# KiCad board NoU2-panelized.kicad_pcb (continued)
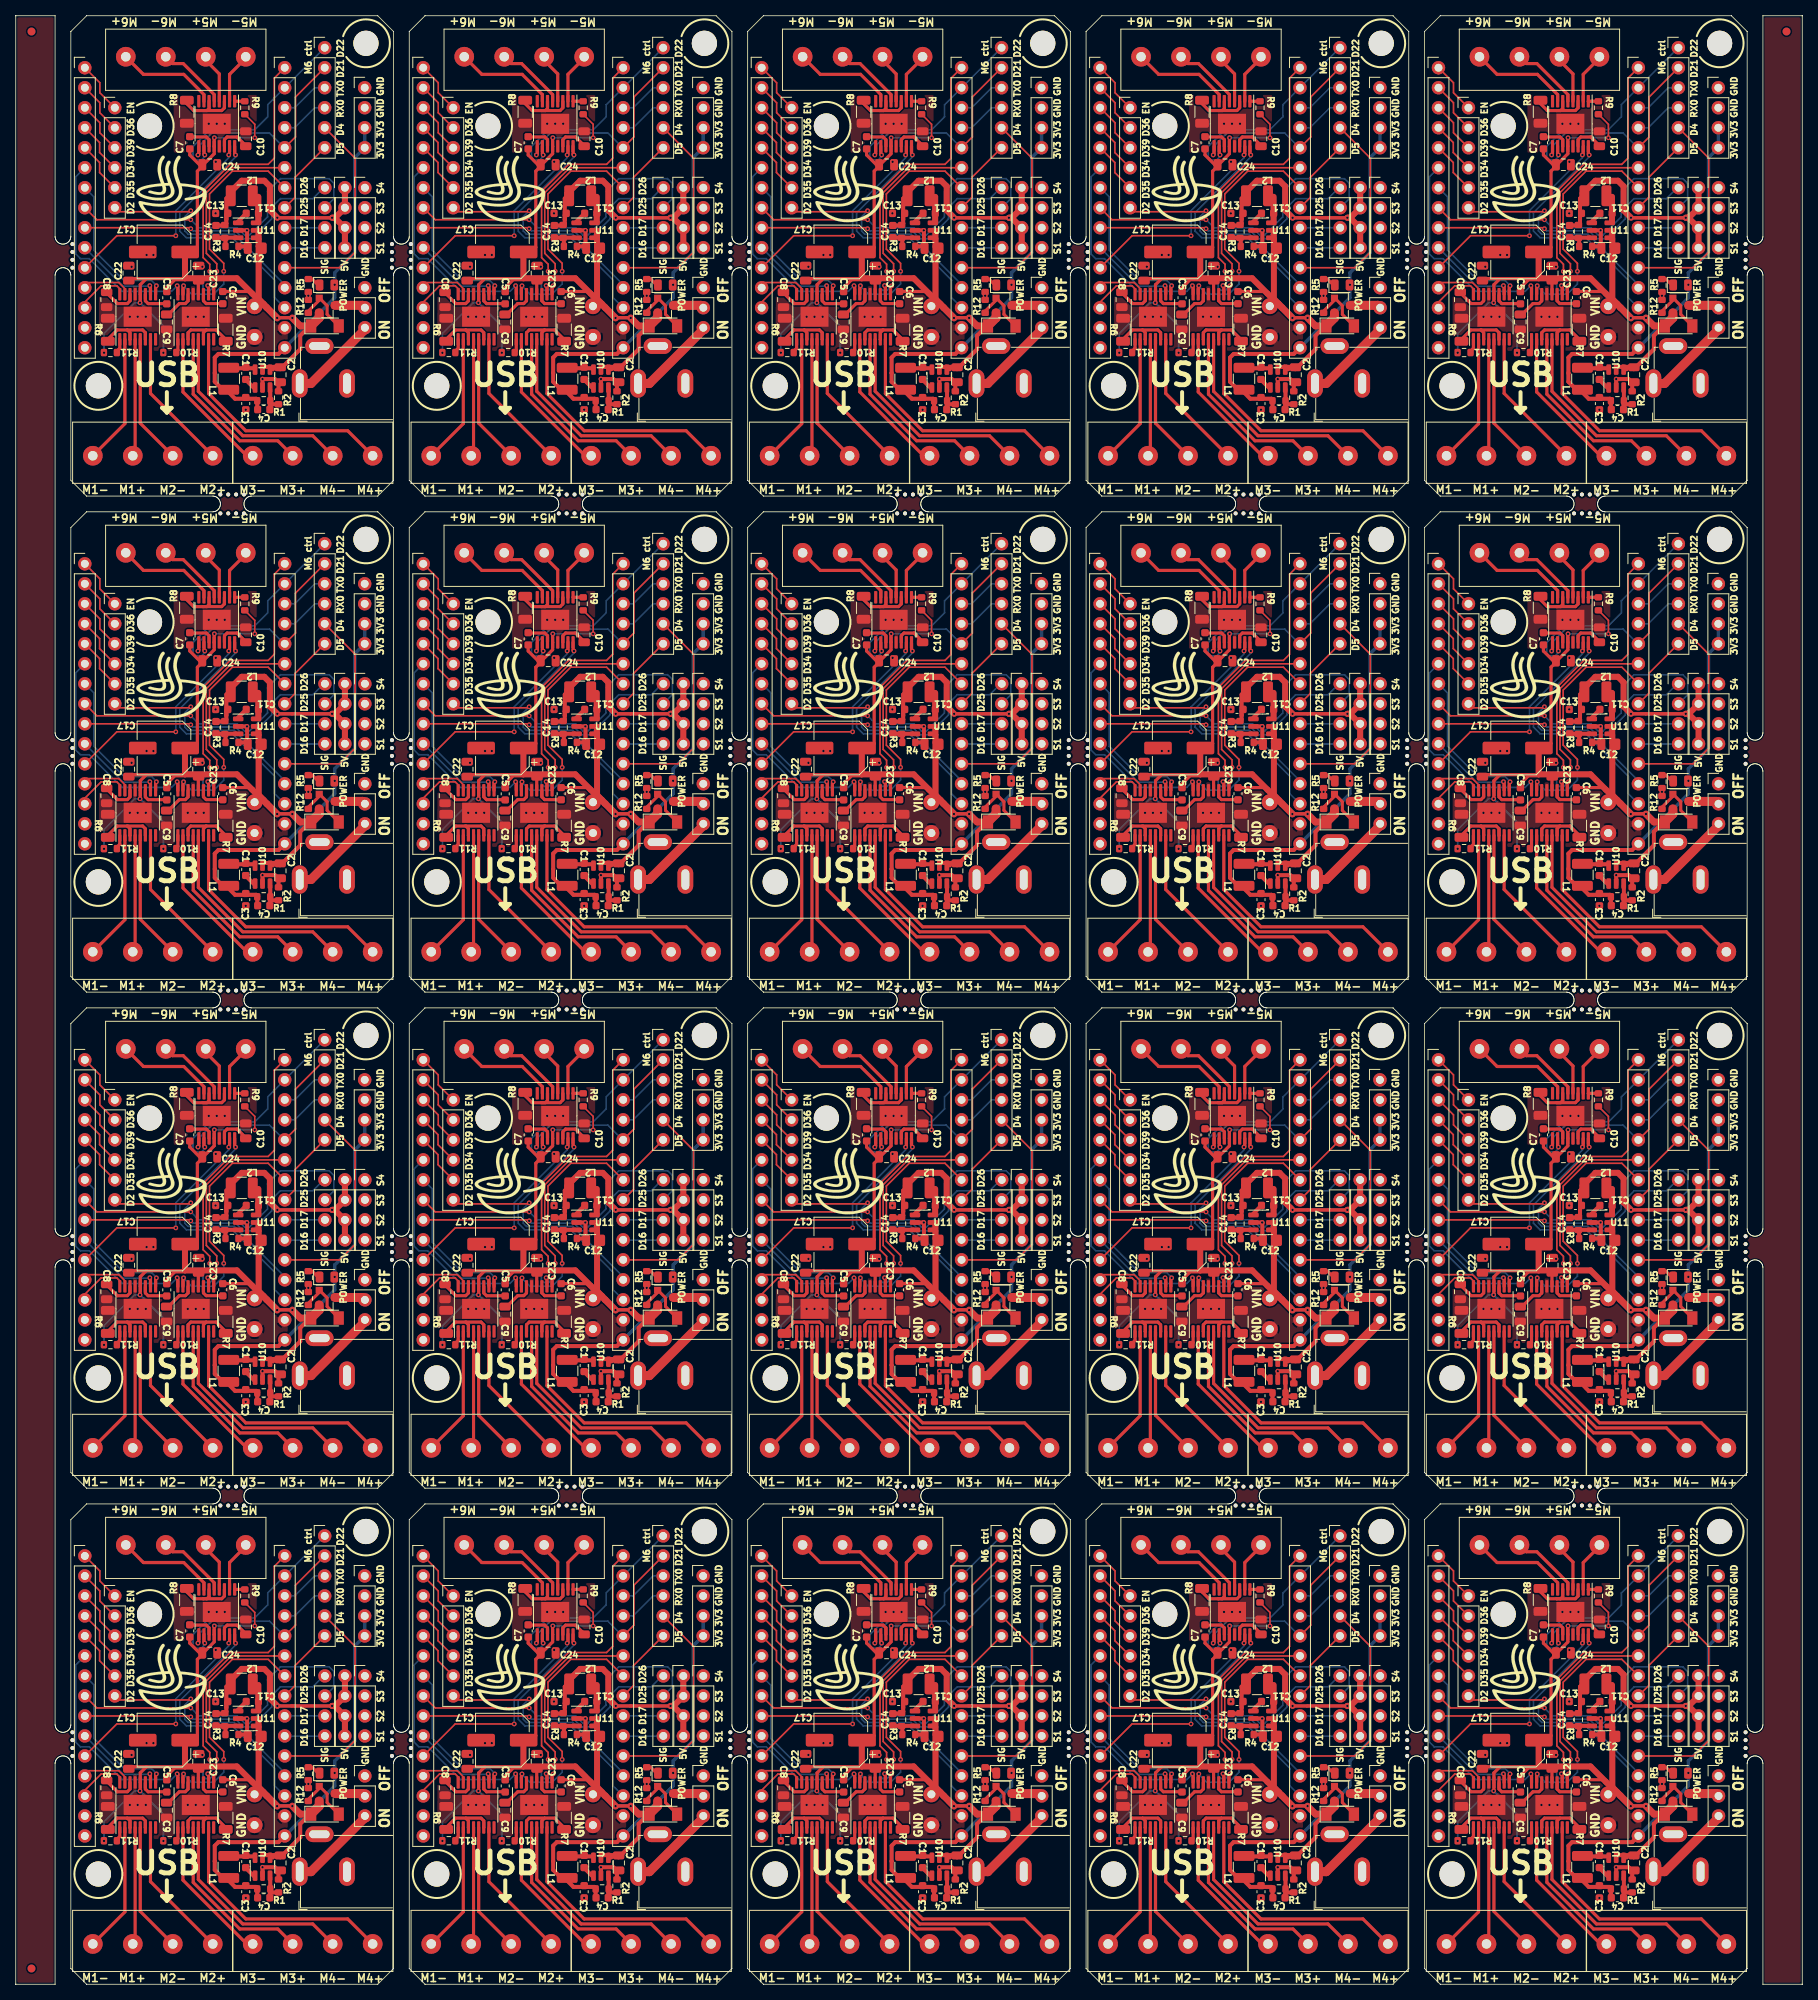
[diagram p0: board, top side]
## Nets (continued)
Board_5-/Sheet6057E9B8/D39: J10#16.3
Board_5-/Sheet6057E9B8/EN: J10#16.1
Board_5-/Sheet6057E9B8/EVIN: J10#16.15
Board_5-D2: J4#19.6 J11#11.12
Board_5-D4: J1#18.5 J11#11.11
Board_5-D5: J1#18.6 J11#11.8
Board_5-D25: J2#4.2 J10#16.8
Board_5-D26: J2#4.1 J10#16.9
Board_5-GND: C2#13.1 C3#7.1 C8#16.2 C9#8.2 C10#4.2 C12#3.1 C13#5.1 C17#12.2 C22#5.2 C23#7.2 C24#2.2 J3.1 J3.2 J5#2.1 J5#2.2 J5#2.3 J5#2.4 J9#14.2 J10#16.14 J11#11.14 J13#9.1 R2#11.2 R4#18.2 R5#2.1 R6#18.1 R7#6.1 R8#15.1 R12#17.2 U1#13.13 U1#13.17 U2#7.13 U2#7.17 U3#2.13 U3#2.17 U10#10.2 U11#6.2
Board_5-M1A: J10#16.13 U1#13.16
Board_5-M1B: J10#16.12 U1#13.15
Board_5-M2A: J10#16.10 U1#13.10
Board_5-M2B: J10#16.7 U1#13.9
Board_5-M3A: J10#16.6 U3#2.16
Board_5-M3B: J11#11.7 U3#2.15
Board_5-M4A: J11#11.6 U3#2.10
Board_5-M4B: J11#11.1 U3#2.9
Board_5-M5A: J11#11.13 U2#7.16
Board_5-M5B: J10#16.11 U2#7.15
Board_5-M6A: J1#18.1 J11#11.2 U2#7.10
Board_5-M6B: J1#18.2 J11#11.5 U2#7.9
Board_5-Net-(C1-Pad1): C1#7.1 L1#8.1 U10#10.6
Board_5-Net-(C1-Pad2): C1#7.2 U10#10.1
Board_5-Net-(C4-Pad1): C4#12.1 R1#16.2 R2#11.1 U10#10.3
Board_5-Net-(C5-Pad2): C5#20.2 U1#13.11
Board_5-Net-(C6-Pad2): C6#14.2 U3#2.11
Board_5-Net-(C7-Pad2): C7#19.2 U2#7.11
Board_5-Net-(C8-Pad1): C8#16.1 U1#13.14
Board_5-Net-(C9-Pad1): C9#8.1 U3#2.14
Board_5-Net-(C10-Pad1): C10#4.1 U2#7.14
Board_5-Net-(C11-Pad1): C11#20.1 L2#7.1 U11#6.6
Board_5-Net-(C11-Pad2): C11#20.2 U11#6.1
Board_5-Net-(C14-Pad1): C14#3.1 R3#4.2 R4#18.1 U11#6.3
Board_5-Net-(D1-Pad1): D1#17.1 R5#2.2
Board_5-Net-(D2-Pad2): D2#19.2 Q1#14.1 R12#17.1
Board_5-Net-(J6-Pad1): J6#17.1 U1#13.2
Board_5-Net-(J6-Pad2): J6#17.2 U1#13.4
Board_5-Net-(J6-Pad3): J6#17.3 U1#13.5
Board_5-Net-(J6-Pad4): J6#17.4 U1#13.7
Board_5-Net-(J7-Pad1): J7#5.1 U3#2.2
Board_5-Net-(J7-Pad2): J7#5.2 U3#2.4
Board_5-Net-(J7-Pad3): J7#5.3 U3#2.5
Board_5-Net-(J7-Pad4): J7#5.4 U3#2.7
Board_5-Net-(J8-Pad1): J8#7.1 U2#7.2
Board_5-Net-(J8-Pad2): J8#7.2 U2#7.4
Board_5-Net-(J8-Pad3): J8#7.3 U2#7.5
Board_5-Net-(J8-Pad4): J8#7.4 U2#7.7
Board_5-Net-(J9-Pad1): J9#14.1 U8#15.3
Board_5-Net-(Q1-Pad3): Q1#14.3 U8#15.2
Board_5-Net-(R6-Pad2): R6#18.2 U1#13.3 U1#13.6
Board_5-Net-(R7-Pad2): R7#6.2 U3#2.3 U3#2.6
Board_5-Net-(R8-Pad2): R8#15.2 U2#7.3 U2#7.6
Board_5-Net-(R9-Pad1): R9#6.1 U2#7.1
Board_5-Net-(R10-Pad1): R10#13.1 U3#2.1
Board_5-Net-(R11-Pad1): R11#17.1 U1#13.1
Board_5-RX0: J1#18.4 J11#11.4
Board_5-TX0: J1#18.3 J11#11.3
Board_5-unconnected-(U1-Pad8): U1#13.8
Board_5-unconnected-(U2-Pad8): U2#7.8
Board_5-unconnected-(U3-Pad8): U3#2.8
Board_5-unconnected-(U8-Pad1): U8#15.1
Board_5-VIN: C2#13.2 C5#20.1 C6#14.1 C7#19.1 C12#3.2 C17#12.1 C22#5.1 C23#7.1 C24#2.1 D2#19.1 J14#15.1 Q1#14.2 R9#6.2 R10#13.2 R11#17.2 U1#13.12 U2#7.12 U3#2.12 U10#10.4 U10#10.5 U11#6.4 U11#6.5
Board_6-3V3: C3#8.2 C4#20.2 D1#15.2 J3#14.3 J3#14.4 J11#13.15 L1#7.2 R1#20.1
Board_6-5V: C13#17.2 C14#4.2 J12#20.1 J12#20.2 J12#20.3 J12#20.4 L2.2 R3#13.1
Board_6-/D16: J2#18.4
Board_6-/D17: J2#18.3
Board_6-/D34: J4#6.4
Board_6-/D35: J4#6.5
Board_6-/D36: J4#6.2
Board_6-/D39: J4#6.3
Board_6-/EN: J4#6.1
Board_6-/Sheet6057E9B8/D16: J11#13.10
Board_6-/Sheet6057E9B8/D17: J11#13.9
Board_6-/Sheet6057E9B8/D34: J10.4
Board_6-/Sheet6057E9B8/D35: J10.5
Board_6-/Sheet6057E9B8/D36: J10.2
Board_6-/Sheet6057E9B8/D39: J10.3
Board_6-/Sheet6057E9B8/EN: J10.1
Board_6-/Sheet6057E9B8/EVIN: J10.15
Board_6-D2: J4#6.6 J11#13.12
Board_6-D4: J1#2.5 J11#13.11
Board_6-D5: J1#2.6 J11#13.8
Board_6-D25: J2#18.2 J10.8
Board_6-D26: J2#18.1 J10.9
Board_6-GND: C2#8.1 C3#8.1 C8#8.2 C9#7.2 C10#20.2 C12#8.1 C13#17.1 C17#11.2 C22#14.2 C23#19.2 C24#14.2 J3#14.1 J3#14.2 J5#10.1 J5#10.2 J5#10.3 J5#10.4 J9#10.2 J10.14 J11#13.14 J13#16.1 R2#3.2 R4#14.2 R5#11.1 R6#3.1 R7#8.1 R8#5.1 R12#5.2 U1#11.13 U1#11.17 U2#10.13 U2#10.17 U3#13.13 U3#13.17 U10#4.2 U11#11.2
Board_6-M1A: J10.13 U1#11.16
Board_6-M1B: J10.12 U1#11.15
Board_6-M2A: J10.10 U1#11.10
Board_6-M2B: J10.7 U1#11.9
Board_6-M3A: J10.6 U3#13.16
Board_6-M3B: J11#13.7 U3#13.15
Board_6-M4A: J11#13.6 U3#13.10
Board_6-M4B: J11#13.1 U3#13.9
Board_6-M5A: J11#13.13 U2#10.16
Board_6-M5B: J10.11 U2#10.15
Board_6-M6A: J1#2.1 J11#13.2 U2#10.10
Board_6-M6B: J1#2.2 J11#13.5 U2#10.9
Board_6-Net-(C1-Pad1): C1#11.1 L1#7.1 U10#4.6
Board_6-Net-(C1-Pad2): C1#11.2 U10#4.1
Board_6-Net-(C4-Pad1): C4#20.1 R1#20.2 R2#3.1 U10#4.3
Board_6-Net-(C5-Pad2): C5#12.2 U1#11.11
Board_6-Net-(C6-Pad2): C6#10.2 U3#13.11
Board_6-Net-(C7-Pad2): C7#11.2 U2#10.11
Board_6-Net-(C8-Pad1): C8#8.1 U1#11.14
Board_6-Net-(C9-Pad1): C9#7.1 U3#13.14
Board_6-Net-(C10-Pad1): C10#20.1 U2#10.14
Board_6-Net-(C11-Pad1): C11#4.1 L2.1 U11#11.6
Board_6-Net-(C11-Pad2): C11#4.2 U11#11.1
Board_6-Net-(C14-Pad1): C14#4.1 R3#13.2 R4#14.1 U11#11.3
Board_6-Net-(D1-Pad1): D1#15.1 R5#11.2
Board_6-Net-(D2-Pad2): D2#10.2 Q1#13.1 R12#5.1
Board_6-Net-(J6-Pad1): J6#6.1 U1#11.2
Board_6-Net-(J6-Pad2): J6#6.2 U1#11.4
Board_6-Net-(J6-Pad3): J6#6.3 U1#11.5
Board_6-Net-(J6-Pad4): J6#6.4 U1#11.7
Board_6-Net-(J7-Pad1): J7#19.1 U3#13.2
Board_6-Net-(J7-Pad2): J7#19.2 U3#13.4
Board_6-Net-(J7-Pad3): J7#19.3 U3#13.5
Board_6-Net-(J7-Pad4): J7#19.4 U3#13.7
Board_6-Net-(J8-Pad1): J8#18.1 U2#10.2
Board_6-Net-(J8-Pad2): J8#18.2 U2#10.4
Board_6-Net-(J8-Pad3): J8#18.3 U2#10.5
Board_6-Net-(J8-Pad4): J8#18.4 U2#10.7
Board_6-Net-(J9-Pad1): J9#10.1 U8#8.3
Board_6-Net-(Q1-Pad3): Q1#13.3 U8#8.2
Board_6-Net-(R6-Pad2): R6#3.2 U1#11.3 U1#11.6
Board_6-Net-(R7-Pad2): R7#8.2 U3#13.3 U3#13.6
Board_6-Net-(R8-Pad2): R8#5.2 U2#10.3 U2#10.6
Board_6-Net-(R9-Pad1): R9#17.1 U2#10.1
Board_6-Net-(R10-Pad1): R10#11.1 U3#13.1
Board_6-Net-(R11-Pad1): R11#12.1 U1#11.1
Board_6-RX0: J1#2.4 J11#13.4
Board_6-TX0: J1#2.3 J11#13.3
Board_6-unconnected-(U1-Pad8): U1#11.8
Board_6-unconnected-(U2-Pad8): U2#10.8
Board_6-unconnected-(U3-Pad8): U3#13.8
Board_6-unconnected-(U8-Pad1): U8#8.1
Board_6-VIN: C2#8.2 C5#12.1 C6#10.1 C7#11.1 C12#8.2 C17#11.1 C22#14.1 C23#19.1 C24#14.1 D2#10.1 J14#11.1 Q1#13.2 R9#17.2 R10#11.2 R11#12.2 U1#11.12 U2#10.12 U3#13.12 U10#4.4 U10#4.5 U11#11.4 U11#11.5
Board_7-3V3: C3.2 C4#5.2 D1.2 J3#10.3 J3#10.4 J11.15 L1#6.2 R1.1
Board_7-5V: C13#16.2 C14#7.2 J12#9.1 J12#9.2 J12#9.3 J12#9.4 L2#12.2 R3.1
Board_7-/D16: J2#5.4
Board_7-/D17: J2#5.3
Board_7-/D34: J4#18.4
Board_7-/D35: J4#18.5
Board_7-/D36: J4#18.2
Board_7-/D39: J4#18.3
Board_7-/EN: J4#18.1
Board_7-/Sheet6057E9B8/D16: J11.10
Board_7-/Sheet6057E9B8/D17: J11.9
Board_7-/Sheet6057E9B8/D34: J10#6.4
Board_7-/Sheet6057E9B8/D35: J10#6.5
Board_7-/Sheet6057E9B8/D36: J10#6.2
Board_7-/Sheet6057E9B8/D39: J10#6.3
Board_7-/Sheet6057E9B8/EN: J10#6.1
Board_7-/Sheet6057E9B8/EVIN: J10#6.15
Board_7-D2: J4#18.6 J11.12
Board_7-D4: J1#10.5 J11.11
Board_7-D5: J1#10.6 J11.8
Board_7-D25: J2#5.2 J10#6.8
Board_7-D26: J2#5.1 J10#6.9
Board_7-GND: C2#12.1 C3.1 C8#2.2 C9#3.2 C10#14.2 C12#10.1 C13#16.1 C17#14.2 C22.2 C23#4.2 C24#8.2 J3#10.1 J3#10.2 J5#5.1 J5#5.2 J5#5.3 J5#5.4 J9#11.2 J10#6.14 J11.14 J13#4.1 R2#18.2 R4#8.2 R5#16.1 R6#10.1 R7#4.1 R8#8.1 R12#2.2 U1#6.13 U1#6.17 U2#5.13 U2#5.17 U3#19.13 U3#19.17 U10#8.2 U11#19.2
Board_7-M1A: J10#6.13 U1#6.16
Board_7-M1B: J10#6.12 U1#6.15
Board_7-M2A: J10#6.10 U1#6.10
Board_7-M2B: J10#6.7 U1#6.9
Board_7-M3A: J10#6.6 U3#19.16
Board_7-M3B: J11.7 U3#19.15
Board_7-M4A: J11.6 U3#19.10
Board_7-M4B: J11.1 U3#19.9
Board_7-M5A: J11.13 U2#5.16
Board_7-M5B: J10#6.11 U2#5.15
Board_7-M6A: J1#10.1 J11.2 U2#5.10
Board_7-M6B: J1#10.2 J11.5 U2#5.9
Board_7-Net-(C1-Pad1): C1#16.1 L1#6.1 U10#8.6
Board_7-Net-(C1-Pad2): C1#16.2 U10#8.1
Board_7-Net-(C4-Pad1): C4#5.1 R1.2 R2#18.1 U10#8.3
Board_7-Net-(C5-Pad2): C5#7.2 U1#6.11
Board_7-Net-(C6-Pad2): C6#20.2 U3#19.11
Board_7-Net-(C7-Pad2): C7#9.2 U2#5.11
Board_7-Net-(C8-Pad1): C8#2.1 U1#6.14
Board_7-Net-(C9-Pad1): C9#3.1 U3#19.14
Board_7-Net-(C10-Pad1): C10#14.1 U2#5.14
Board_7-Net-(C11-Pad1): C11#15.1 L2#12.1 U11#19.6
Board_7-Net-(C11-Pad2): C11#15.2 U11#19.1
Board_7-Net-(C14-Pad1): C14#7.1 R3.2 R4#8.1 U11#19.3
Board_7-Net-(D1-Pad1): D1.1 R5#16.2
Board_7-Net-(D2-Pad2): D2#18.2 Q1#15.1 R12#2.1
Board_7-Net-(J6-Pad1): J6#14.1 U1#6.2
Board_7-Net-(J6-Pad2): J6#14.2 U1#6.4
Board_7-Net-(J6-Pad3): J6#14.3 U1#6.5
Board_7-Net-(J6-Pad4): J6#14.4 U1#6.7
Board_7-Net-(J7-Pad1): J7#11.1 U3#19.2
Board_7-Net-(J7-Pad2): J7#11.2 U3#19.4
Board_7-Net-(J7-Pad3): J7#11.3 U3#19.5
Board_7-Net-(J7-Pad4): J7#11.4 U3#19.7
Board_7-Net-(J8-Pad1): J8#3.1 U2#5.2
Board_7-Net-(J8-Pad2): J8#3.2 U2#5.4
Board_7-Net-(J8-Pad3): J8#3.3 U2#5.5
Board_7-Net-(J8-Pad4): J8#3.4 U2#5.7
Board_7-Net-(J9-Pad1): J9#11.1 U8#19.3
Board_7-Net-(Q1-Pad3): Q1#15.3 U8#19.2
Board_7-Net-(R6-Pad2): R6#10.2 U1#6.3 U1#6.6
Board_7-Net-(R7-Pad2): R7#4.2 U3#19.3 U3#19.6
Board_7-Net-(R8-Pad2): R8#8.2 U2#5.3 U2#5.6
Board_7-Net-(R9-Pad1): R9#13.1 U2#5.1
Board_7-Net-(R10-Pad1): R10#18.1 U3#19.1
Board_7-Net-(R11-Pad1): R11#7.1 U1#6.1
Board_7-RX0: J1#10.4 J11.4
Board_7-TX0: J1#10.3 J11.3
Board_7-unconnected-(U1-Pad8): U1#6.8
Board_7-unconnected-(U2-Pad8): U2#5.8
Board_7-unconnected-(U3-Pad8): U3#19.8
Board_7-unconnected-(U8-Pad1): U8#19.1
Board_7-VIN: C2#12.2 C5#7.1 C6#20.1 C7#9.1 C12#10.2 C17#14.1 C22.1 C23#4.1 C24#8.1 D2#18.1 J14#10.1 Q1#15.2 R9#13.2 R10#18.2 R11#7.2 U1#6.12 U2#5.12 U3#19.12 U10#8.4 U10#8.5 U11#19.4 U11#19.5
Board_8-3V3: C3#2.2 C4#6.2 D1#11.2 J3#6.3 J3#6.4 J11#15.15 L1#18.2 R1#3.1
Board_8-5V: C13#18.2 C14#2.2 J12#5.1 J12#5.2 J12#5.3 J12#5.4 L2#15.2 R3#17.1
Board_8-/D16: J2#9.4
Board_8-/D17: J2#9.3
Board_8-/D34: J4.4
Board_8-/D35: J4.5
Board_8-/D36: J4.2
Board_8-/D39: J4.3
Board_8-/EN: J4.1
Board_8-/Sheet6057E9B8/D16: J11#15.10
Board_8-/Sheet6057E9B8/D17: J11#15.9
Board_8-/Sheet6057E9B8/D34: J10#5.4
Board_8-/Sheet6057E9B8/D35: J10#5.5
Board_8-/Sheet6057E9B8/D36: J10#5.2
Board_8-/Sheet6057E9B8/D39: J10#5.3
Board_8-/Sheet6057E9B8/EN: J10#5.1
Board_8-/Sheet6057E9B8/EVIN: J10#5.15
Board_8-D2: J4.6 J11#15.12
Board_8-D4: J1#11.5 J11#15.11
Board_8-D5: J1#11.6 J11#15.8
Board_8-D25: J2#9.2 J10#5.8
Board_8-D26: J2#9.1 J10#5.9
Board_8-GND: C2#7.1 C3#2.1 C8#20.2 C9#2.2 C10#16.2 C12#4.1 C13#18.1 C17#17.2 C22#12.2 C23#9.2 C24#6.2 J3#6.1 J3#6.2 J5#20.1 J5#20.2 J5#20.3 J5#20.4 J9#5.2 J10#5.14 J11#15.14 J13.1 R2#4.2 R4#17.2 R5#15.1 R6.1 R7#18.1 R8#17.1 R12#11.2 U1#4.13 U1#4.17 U2#12.13 U2#12.17 U3#9.13 U3#9.17 U10#16.2 U11#5.2
Board_8-M1A: J10#5.13 U1#4.16
Board_8-M1B: J10#5.12 U1#4.15
Board_8-M2A: J10#5.10 U1#4.10
Board_8-M2B: J10#5.7 U1#4.9
Board_8-M3A: J10#5.6 U3#9.16
Board_8-M3B: J11#15.7 U3#9.15
Board_8-M4A: J11#15.6 U3#9.10
Board_8-M4B: J11#15.1 U3#9.9
Board_8-M5A: J11#15.13 U2#12.16
Board_8-M5B: J10#5.11 U2#12.15
Board_8-M6A: J1#11.1 J11#15.2 U2#12.10
Board_8-M6B: J1#11.2 J11#15.5 U2#12.9
Board_8-Net-(C1-Pad1): C1#5.1 L1#18.1 U10#16.6
Board_8-Net-(C1-Pad2): C1#5.2 U10#16.1
Board_8-Net-(C4-Pad1): C4#6.1 R1#3.2 R2#4.1 U10#16.3
Board_8-Net-(C5-Pad2): C5#14.2 U1#4.11
Board_8-Net-(C6-Pad2): C6#16.2 U3#9.11
Board_8-Net-(C7-Pad2): C7#20.2 U2#12.11
Board_8-Net-(C8-Pad1): C8#20.1 U1#4.14
Board_8-Net-(C9-Pad1): C9#2.1 U3#9.14
Board_8-Net-(C10-Pad1): C10#16.1 U2#12.14
Board_8-Net-(C11-Pad1): C11#14.1 L2#15.1 U11#5.6
Board_8-Net-(C11-Pad2): C11#14.2 U11#5.1
Board_8-Net-(C14-Pad1): C14#2.1 R3#17.2 R4#17.1 U11#5.3
Board_8-Net-(D1-Pad1): D1#11.1 R5#15.2
Board_8-Net-(D2-Pad2): D2#20.2 Q1#20.1 R12#11.1
Board_8-Net-(J6-Pad1): J6#2.1 U1#4.2
Board_8-Net-(J6-Pad2): J6#2.2 U1#4.4
Board_8-Net-(J6-Pad3): J6#2.3 U1#4.5
Board_8-Net-(J6-Pad4): J6#2.4 U1#4.7
Board_8-Net-(J7-Pad1): J7#13.1 U3#9.2
Board_8-Net-(J7-Pad2): J7#13.2 U3#9.4
Board_8-Net-(J7-Pad3): J7#13.3 U3#9.5
Board_8-Net-(J7-Pad4): J7#13.4 U3#9.7
Board_8-Net-(J8-Pad1): J8#17.1 U2#12.2
Board_8-Net-(J8-Pad2): J8#17.2 U2#12.4
Board_8-Net-(J8-Pad3): J8#17.3 U2#12.5
Board_8-Net-(J8-Pad4): J8#17.4 U2#12.7
Board_8-Net-(J9-Pad1): J9#5.1 U8#17.3
Board_8-Net-(Q1-Pad3): Q1#20.3 U8#17.2
Board_8-Net-(R6-Pad2): R6.2 U1#4.3 U1#4.6
Board_8-Net-(R7-Pad2): R7#18.2 U3#9.3 U3#9.6
Board_8-Net-(R8-Pad2): R8#17.2 U2#12.3 U2#12.6
Board_8-Net-(R9-Pad1): R9#8.1 U2#12.1
Board_8-Net-(R10-Pad1): R10#3.1 U3#9.1
Board_8-Net-(R11-Pad1): R11#15.1 U1#4.1
Board_8-RX0: J1#11.4 J11#15.4
Board_8-TX0: J1#11.3 J11#15.3
Board_8-unconnected-(U1-Pad8): U1#4.8
Board_8-unconnected-(U2-Pad8): U2#12.8
Board_8-unconnected-(U3-Pad8): U3#9.8
Board_8-unconnected-(U8-Pad1): U8#17.1
Board_8-VIN: C2#7.2 C5#14.1 C6#16.1 C7#20.1 C12#4.2 C17#17.1 C22#12.1 C23#9.1 C24#6.1 D2#20.1 J14#9.1 Q1#20.2 R9#8.2 R10#3.2 R11#15.2 U1#4.12 U2#12.12 U3#9.12 U10#16.4 U10#16.5 U11#5.4 U11#5.5
Board_9-3V3: C3#15.2 C4#9.2 D1#9.2 J3#12.3 J3#12.4 J11#19.15 L1#4.2 R1#13.1
Board_9-5V: C13#7.2 C14#13.2 J12.1 J12.2 J12.3 J12.4 L2#2.2 R3#5.1
Board_9-/D16: J2#10.4
Board_9-/D17: J2#10.3
Board_9-/D34: J4#7.4
Board_9-/D35: J4#7.5
Board_9-/D36: J4#7.2
Board_9-/D39: J4#7.3
Board_9-/EN: J4#7.1
Board_9-/Sheet6057E9B8/D16: J11#19.10
Board_9-/Sheet6057E9B8/D17: J11#19.9
Board_9-/Sheet6057E9B8/D34: J10#17.4
Board_9-/Sheet6057E9B8/D35: J10#17.5
Board_9-/Sheet6057E9B8/D36: J10#17.2
Board_9-/Sheet6057E9B8/D39: J10#17.3
Board_9-/Sheet6057E9B8/EN: J10#17.1
Board_9-/Sheet6057E9B8/EVIN: J10#17.15
Board_9-D2: J4#7.6 J11#19.12
Board_9-D4: J1#20.5 J11#19.11
Board_9-D5: J1#20.6 J11#19.8
Board_9-D25: J2#10.2 J10#17.8
Board_9-D26: J2#10.1 J10#17.9
Board_9-GND: C2#2.1 C3#15.1 C8#14.2 C9#13.2 C10#5.2 C12#12.1 C13#7.1 C17.2 C22#10.2 C23.2 C24#3.2 J3#12.1 J3#12.2 J5#12.1 J5#12.2 J5#12.3 J5#12.4 J9#8.2 J10#17.14 J11#19.14 J13#12.1 R2#2.2 R4#6.2 R5#6.1 R6#8.1 R7#17.1 R8#9.1 R12.2 U1.13 U1.17 U2#8.13 U2#8.17 U3#3.13 U3#3.17 U10#9.2 U11#3.2
Board_9-M1A: J10#17.13 U1.16
Board_9-M1B: J10#17.12 U1.15
Board_9-M2A: J10#17.10 U1.10
Board_9-M2B: J10#17.7 U1.9
Board_9-M3A: J10#17.6 U3#3.16
Board_9-M3B: J11#19.7 U3#3.15
Board_9-M4A: J11#19.6 U3#3.10
Board_9-M4B: J11#19.1 U3#3.9
Board_9-M5A: J11#19.13 U2#8.16
Board_9-M5B: J10#17.11 U2#8.15
Board_9-M6A: J1#20.1 J11#19.2 U2#8.10
Board_9-M6B: J1#20.2 J11#19.5 U2#8.9
Board_9-Net-(C1-Pad1): C1#12.1 L1#4.1 U10#9.6
Board_9-Net-(C1-Pad2): C1#12.2 U10#9.1
Board_9-Net-(C4-Pad1): C4#9.1 R1#13.2 R2#2.1 U10#9.3
Board_9-Net-(C5-Pad2): C5#8.2 U1.11
Board_9-Net-(C6-Pad2): C6#6.2 U3#3.11
Board_9-Net-(C7-Pad2): C7#6.2 U2#8.11
Board_9-Net-(C8-Pad1): C8#14.1 U1.14
Board_9-Net-(C9-Pad1): C9#13.1 U3#3.14
Board_9-Net-(C10-Pad1): C10#5.1 U2#8.14
Board_9-Net-(C11-Pad1): C11#11.1 L2#2.1 U11#3.6
Board_9-Net-(C11-Pad2): C11#11.2 U11#3.1
Board_9-Net-(C14-Pad1): C14#13.1 R3#5.2 R4#6.1 U11#3.3
Board_9-Net-(D1-Pad1): D1#9.1 R5#6.2
Board_9-Net-(D2-Pad2): D2#4.2 Q1#12.1 R12.1
Board_9-Net-(J6-Pad1): J6#11.1 U1.2
Board_9-Net-(J6-Pad2): J6#11.2 U1.4
Board_9-Net-(J6-Pad3): J6#11.3 U1.5
Board_9-Net-(J6-Pad4): J6#11.4 U1.7
Board_9-Net-(J7-Pad1): J7#15.1 U3#3.2
Board_9-Net-(J7-Pad2): J7#15.2 U3#3.4
Board_9-Net-(J7-Pad3): J7#15.3 U3#3.5
Board_9-Net-(J7-Pad4): J7#15.4 U3#3.7
Board_9-Net-(J8-Pad1): J8#14.1 U2#8.2
Board_9-Net-(J8-Pad2): J8#14.2 U2#8.4
Board_9-Net-(J8-Pad3): J8#14.3 U2#8.5
Board_9-Net-(J8-Pad4): J8#14.4 U2#8.7
Board_9-Net-(J9-Pad1): J9#8.1 U8#16.3
Board_9-Net-(Q1-Pad3): Q1#12.3 U8#16.2
Board_9-Net-(R6-Pad2): R6#8.2 U1.3 U1.6
Board_9-Net-(R7-Pad2): R7#17.2 U3#3.3 U3#3.6
Board_9-Net-(R8-Pad2): R8#9.2 U2#8.3 U2#8.6
Board_9-Net-(R9-Pad1): R9#5.1 U2#8.1
Board_9-Net-(R10-Pad1): R10#4.1 U3#3.1
Board_9-Net-(R11-Pad1): R11#11.1 U1.1
Board_9-RX0: J1#20.4 J11#19.4
Board_9-TX0: J1#20.3 J11#19.3
Board_9-unconnected-(U1-Pad8): U1.8
Board_9-unconnected-(U2-Pad8): U2#8.8
Board_9-unconnected-(U3-Pad8): U3#3.8
Board_9-unconnected-(U8-Pad1): U8#16.1
Board_9-VIN: C2#2.2 C5#8.1 C6#6.1 C7#6.1 C12#12.2 C17.1 C22#10.1 C23.1 C24#3.1 D2#4.1 J14#20.1 Q1#12.2 R9#5.2 R10#4.2 R11#11.2 U1.12 U2#8.12 U3#3.12 U10#9.4 U10#9.5 U11#3.4 U11#3.5
Board_10-3V3: C3#10.2 C4#3.2 D1#3.2 J3#15.3 J3#15.4 J11#6.15 L1#17.2 R1#8.1
Board_10-5V: C13#13.2 C14#9.2 J12#2.1 J12#2.2 J12#2.3 J12#2.4 L2#4.2 R3#19.1
Board_10-/D16: J2#11.4
Board_10-/D17: J2#11.3
Board_10-/D34: J4#9.4
Board_10-/D35: J4#9.5
Board_10-/D36: J4#9.2
Board_10-/D39: J4#9.3
Board_10-/EN: J4#9.1
Board_10-/Sheet6057E9B8/D16: J11#6.10
Board_10-/Sheet6057E9B8/D17: J11#6.9
Board_10-/Sheet6057E9B8/D34: J10#10.4
Board_10-/Sheet6057E9B8/D35: J10#10.5
Board_10-/Sheet6057E9B8/D36: J10#10.2
Board_10-/Sheet6057E9B8/D39: J10#10.3
Board_10-/Sheet6057E9B8/EN: J10#10.1
Board_10-/Sheet6057E9B8/EVIN: J10#10.15
Board_10-D2: J4#9.6 J11#6.12
Board_10-D4: J1#3.5 J11#6.11
Board_10-D5: J1#3.6 J11#6.8
Board_10-D25: J2#11.2 J10#10.8
Board_10-D26: J2#11.1 J10#10.9
Board_10-GND: C2#11.1 C3#10.1 C8#17.2 C9#11.2 C10#18.2 C12#9.1 C13#13.1 C17#2.2 C22#20.2 C23#5.2 C24#10.2 J3#15.1 J3#15.2 J5#11.1 J5#11.2 J5#11.3 J5#11.4 J9#17.2 J10#10.14 J11#6.14 J13#10.1 R2#13.2 R4#2.2 R5#18.1 R6#19.1 R7#9.1 R8#19.1 R12#10.2 U1#12.13 U1#12.17 U2#4.13 U2#4.17 U3#18.13 U3#18.17 U10#13.2 U11.2
Board_10-M1A: J10#10.13 U1#12.16
Board_10-M1B: J10#10.12 U1#12.15
Board_10-M2A: J10#10.10 U1#12.10
Board_10-M2B: J10#10.7 U1#12.9
Board_10-M3A: J10#10.6 U3#18.16
Board_10-M3B: J11#6.7 U3#18.15
Board_10-M4A: J11#6.6 U3#18.10
Board_10-M4B: J11#6.1 U3#18.9
Board_10-M5A: J11#6.13 U2#4.16
Board_10-M5B: J10#10.11 U2#4.15
Board_10-M6A: J1#3.1 J11#6.2 U2#4.10
Board_10-M6B: J1#3.2 J11#6.5 U2#4.9
Board_10-Net-(C1-Pad1): C1#4.1 L1#17.1 U10#13.6
Board_10-Net-(C1-Pad2): C1#4.2 U10#13.1
Board_10-Net-(C4-Pad1): C4#3.1 R1#8.2 R2#13.1 U10#13.3
Board_10-Net-(C5-Pad2): C5#4.2 U1#12.11
Board_10-Net-(C6-Pad2): C6#13.2 U3#18.11
Board_10-Net-(C7-Pad2): C7#4.2 U2#4.11
Board_10-Net-(C8-Pad1): C8#17.1 U1#12.14
Board_10-Net-(C9-Pad1): C9#11.1 U3#18.14
Board_10-Net-(C10-Pad1): C10#18.1 U2#4.14
Board_10-Net-(C11-Pad1): C11#5.1 L2#4.1 U11.6
Board_10-Net-(C11-Pad2): C11#5.2 U11.1
Board_10-Net-(C14-Pad1): C14#9.1 R3#19.2 R4#2.1 U11.3
Board_10-Net-(D1-Pad1): D1#3.1 R5#18.2
Board_10-Net-(D2-Pad2): D2#17.2 Q1#7.1 R12#10.1
Board_10-Net-(J6-Pad1): J6#19.1 U1#12.2
Board_10-Net-(J6-Pad2): J6#19.2 U1#12.4
Board_10-Net-(J6-Pad3): J6#19.3 U1#12.5
Board_10-Net-(J6-Pad4): J6#19.4 U1#12.7
Board_10-Net-(J7-Pad1): J7#3.1 U3#18.2
Board_10-Net-(J7-Pad2): J7#3.2 U3#18.4
Board_10-Net-(J7-Pad3): J7#3.3 U3#18.5
Board_10-Net-(J7-Pad4): J7#3.4 U3#18.7
Board_10-Net-(J8-Pad1): J8.1 U2#4.2
Board_10-Net-(J8-Pad2): J8.2 U2#4.4
Board_10-Net-(J8-Pad3): J8.3 U2#4.5
Board_10-Net-(J8-Pad4): J8.4 U2#4.7
Board_10-Net-(J9-Pad1): J9#17.1 U8#3.3
Board_10-Net-(Q1-Pad3): Q1#7.3 U8#3.2
Board_10-Net-(R6-Pad2): R6#19.2 U1#12.3 U1#12.6
Board_10-Net-(R7-Pad2): R7#9.2 U3#18.3 U3#18.6
Board_10-Net-(R8-Pad2): R8#19.2 U2#4.3 U2#4.6
Board_10-Net-(R9-Pad1): R9#10.1 U2#4.1
Board_10-Net-(R10-Pad1): R10#14.1 U3#18.1
Board_10-Net-(R11-Pad1): R11#9.1 U1#12.1
Board_10-RX0: J1#3.4 J11#6.4
Board_10-TX0: J1#3.3 J11#6.3
Board_10-unconnected-(U1-Pad8): U1#12.8
Board_10-unconnected-(U2-Pad8): U2#4.8
Board_10-unconnected-(U3-Pad8): U3#18.8
Board_10-unconnected-(U8-Pad1): U8#3.1
Board_10-VIN: C2#11.2 C5#4.1 C6#13.1 C7#4.1 C12#9.2 C17#2.1 C22#20.1 C23#5.1 C24#10.1 D2#17.1 J14#8.1 Q1#7.2 R9#10.2 R10#14.2 R11#9.2 U1#12.12 U2#4.12 U3#18.12 U10#13.4 U10#13.5 U11.4 U11.5
Board_11-3V3: C3#18.2 C4#14.2 D1#10.2 J3#5.3 J3#5.4 J11#2.15 L1#5.2 R1#15.1
Board_11-5V: C13#19.2 C14#16.2 J12#13.1 J12#13.2 J12#13.3 J12#13.4 L2#20.2 R3#2.1
Board_11-/D16: J2#15.4
Board_11-/D17: J2#15.3
Board_11-/D34: J4#4.4
Board_11-/D35: J4#4.5
Board_11-/D36: J4#4.2
Board_11-/D39: J4#4.3
Board_11-/EN: J4#4.1
Board_11-/Sheet6057E9B8/D16: J11#2.10
Board_11-/Sheet6057E9B8/D17: J11#2.9
Board_11-/Sheet6057E9B8/D34: J10#3.4
Board_11-/Sheet6057E9B8/D35: J10#3.5
Board_11-/Sheet6057E9B8/D36: J10#3.2
Board_11-/Sheet6057E9B8/D39: J10#3.3
Board_11-/Sheet6057E9B8/EN: J10#3.1
Board_11-/Sheet6057E9B8/EVIN: J10#3.15
Board_11-D2: J4#4.6 J11#2.12
Board_11-D4: J1#17.5 J11#2.11
Board_11-D5: J1#17.6 J11#2.8
Board_11-D25: J2#15.2 J10#3.8
Board_11-D26: J2#15.1 J10#3.9
Board_11-GND: C2.1 C3#18.1 C8#13.2 C9#14.2 C10#8.2 C12.1 C13#19.1 C17#3.2 C22#7.2 C23#11.2 C24.2 J3#5.1 J3#5.2 J5#4.1 J5#4.2 J5#4.3 J5#4.4 J9#3.2 J10#3.14 J11#2.14 J13#8.1 R2#7.2 R4#16.2 R5#10.1 R6#16.1 R7#16.1 R8#2.1 R12#7.2 U1#18.13 U1#18.17 U2#13.13 U2#13.17 U3#11.13 U3#11.17 U10#5.2 U11#18.2
Board_11-M1A: J10#3.13 U1#18.16
Board_11-M1B: J10#3.12 U1#18.15
Board_11-M2A: J10#3.10 U1#18.10
Board_11-M2B: J10#3.7 U1#18.9
Board_11-M3A: J10#3.6 U3#11.16
Board_11-M3B: J11#2.7 U3#11.15
Board_11-M4A: J11#2.6 U3#11.10
Board_11-M4B: J11#2.1 U3#11.9
Board_11-M5A: J11#2.13 U2#13.16
Board_11-M5B: J10#3.11 U2#13.15
Board_11-M6A: J1#17.1 J11#2.2 U2#13.10
Board_11-M6B: J1#17.2 J11#2.5 U2#13.9
Board_11-Net-(C1-Pad1): C1.1 L1#5.1 U10#5.6
Board_11-Net-(C1-Pad2): C1.2 U10#5.1
Board_11-Net-(C4-Pad1): C4#14.1 R1#15.2 R2#7.1 U10#5.3
Board_11-Net-(C5-Pad2): C5#3.2 U1#18.11
Board_11-Net-(C6-Pad2): C6#4.2 U3#11.11
Board_11-Net-(C7-Pad2): C7#16.2 U2#13.11
Board_11-Net-(C8-Pad1): C8#13.1 U1#18.14
Board_11-Net-(C9-Pad1): C9#14.1 U3#11.14
Board_11-Net-(C10-Pad1): C10#8.1 U2#13.14
Board_11-Net-(C11-Pad1): C11#13.1 L2#20.1 U11#18.6
Board_11-Net-(C11-Pad2): C11#13.2 U11#18.1
Board_11-Net-(C14-Pad1): C14#16.1 R3#2.2 R4#16.1 U11#18.3
Board_11-Net-(D1-Pad1): D1#10.1 R5#10.2
Board_11-Net-(D2-Pad2): D2#9.2 Q1.1 R12#7.1
Board_11-Net-(J6-Pad1): J6#20.1 U1#18.2
Board_11-Net-(J6-Pad2): J6#20.2 U1#18.4
Board_11-Net-(J6-Pad3): J6#20.3 U1#18.5
Board_11-Net-(J6-Pad4): J6#20.4 U1#18.7
Board_11-Net-(J7-Pad1): J7#7.1 U3#11.2
Board_11-Net-(J7-Pad2): J7#7.2 U3#11.4
Board_11-Net-(J7-Pad3): J7#7.3 U3#11.5
Board_11-Net-(J7-Pad4): J7#7.4 U3#11.7
Board_11-Net-(J8-Pad1): J8#8.1 U2#13.2
Board_11-Net-(J8-Pad2): J8#8.2 U2#13.4
Board_11-Net-(J8-Pad3): J8#8.3 U2#13.5
Board_11-Net-(J8-Pad4): J8#8.4 U2#13.7
Board_11-Net-(J9-Pad1): J9#3.1 U8.3
Board_11-Net-(Q1-Pad3): Q1.3 U8.2
Board_11-Net-(R6-Pad2): R6#16.2 U1#18.3 U1#18.6
Board_11-Net-(R7-Pad2): R7#16.2 U3#11.3 U3#11.6
Board_11-Net-(R8-Pad2): R8#2.2 U2#13.3 U2#13.6
Board_11-Net-(R9-Pad1): R9.1 U2#13.1
Board_11-Net-(R10-Pad1): R10#8.1 U3#11.1
Board_11-Net-(R11-Pad1): R11#2.1 U1#18.1
Board_11-RX0: J1#17.4 J11#2.4
Board_11-TX0: J1#17.3 J11#2.3
Board_11-unconnected-(U1-Pad8): U1#18.8
Board_11-unconnected-(U2-Pad8): U2#13.8
Board_11-unconnected-(U3-Pad8): U3#11.8
Board_11-unconnected-(U8-Pad1): U8.1
Board_11-VIN: C2.2 C5#3.1 C6#4.1 C7#16.1 C12.2 C17#3.1 C22#7.1 C23#11.1 C24.1 D2#9.1 J14#4.1 Q1.2 R9.2 R10#8.2 R11#2.2 U1#18.12 U2#13.12 U3#11.12 U10#5.4 U10#5.5 U11#18.4 U11#18.5
Board_12-3V3: C3#19.2 C4#15.2 D1#8.2 J3#3.3 J3#3.4 J11#8.15 L1#12.2 R1#5.1
Board_12-5V: C13#14.2 C14#18.2 J12#16.1 J12#16.2 J12#16.3 J12#16.4 L2#3.2 R3#18.1
Board_12-/D16: J2#16.4
Board_12-/D17: J2#16.3
Board_12-/D34: J4#11.4
Board_12-/D35: J4#11.5
Board_12-/D36: J4#11.2
Board_12-/D39: J4#11.3
Board_12-/EN: J4#11.1
Board_12-/Sheet6057E9B8/D16: J11#8.10
Board_12-/Sheet6057E9B8/D17: J11#8.9
Board_12-/Sheet6057E9B8/D34: J10#9.4
Board_12-/Sheet6057E9B8/D35: J10#9.5
Board_12-/Sheet6057E9B8/D36: J10#9.2
Board_12-/Sheet6057E9B8/D39: J10#9.3
Board_12-/Sheet6057E9B8/EN: J10#9.1
Board_12-/Sheet6057E9B8/EVIN: J10#9.15
Board_12-D2: J4#11.6 J11#8.12
Board_12-D4: J1#12.5 J11#8.11
Board_12-D5: J1#12.6 J11#8.8
Board_12-D25: J2#16.2 J10#9.8
Board_12-D26: J2#16.1 J10#9.9
Board_12-GND: C2#9.1 C3#19.1 C8#12.2 C9#17.2 C10#13.2 C12#13.1 C13#14.1 C17#16.2 C22#6.2 C23#17.2 C24#12.2 J3#3.1 J3#3.2 J5#7.1 J5#7.2 J5#7.3 J5#7.4 J9#2.2 J10#9.14 J11#8.14 J13#17.1 R2#10.2 R4#4.2 R5#9.1 R6#13.1 R7#3.1 R8#11.1 R12#19.2 U1#9.13 U1#9.17 U2#18.13 U2#18.17 U3#4.13 U3#4.17 U10#19.2 U11#10.2
Board_12-M1A: J10#9.13 U1#9.16
Board_12-M1B: J10#9.12 U1#9.15
Board_12-M2A: J10#9.10 U1#9.10
Board_12-M2B: J10#9.7 U1#9.9
Board_12-M3A: J10#9.6 U3#4.16
Board_12-M3B: J11#8.7 U3#4.15
Board_12-M4A: J11#8.6 U3#4.10
Board_12-M4B: J11#8.1 U3#4.9
Board_12-M5A: J11#8.13 U2#18.16
Board_12-M5B: J10#9.11 U2#18.15
Board_12-M6A: J1#12.1 J11#8.2 U2#18.10
Board_12-M6B: J1#12.2 J11#8.5 U2#18.9
Board_12-Net-(C1-Pad1): C1#20.1 L1#12.1 U10#19.6
Board_12-Net-(C1-Pad2): C1#20.2 U10#19.1
Board_12-Net-(C4-Pad1): C4#15.1 R1#5.2 R2#10.1 U10#19.3
Board_12-Net-(C5-Pad2): C5#5.2 U1#9.11
Board_12-Net-(C6-Pad2): C6#11.2 U3#4.11
Board_12-Net-(C7-Pad2): C7#5.2 U2#18.11
Board_12-Net-(C8-Pad1): C8#12.1 U1#9.14
Board_12-Net-(C9-Pad1): C9#17.1 U3#4.14
Board_12-Net-(C10-Pad1): C10#13.1 U2#18.14
Board_12-Net-(C11-Pad1): C11#18.1 L2#3.1 U11#10.6
Board_12-Net-(C11-Pad2): C11#18.2 U11#10.1
Board_12-Net-(C14-Pad1): C14#18.1 R3#18.2 R4#4.1 U11#10.3
Board_12-Net-(D1-Pad1): D1#8.1 R5#9.2
Board_12-Net-(D2-Pad2): D2#2.2 Q1#16.1 R12#19.1
Board_12-Net-(J6-Pad1): J6#15.1 U1#9.2
Board_12-Net-(J6-Pad2): J6#15.2 U1#9.4
Board_12-Net-(J6-Pad3): J6#15.3 U1#9.5
Board_12-Net-(J6-Pad4): J6#15.4 U1#9.7
Board_12-Net-(J7-Pad1): J7#12.1 U3#4.2
Board_12-Net-(J7-Pad2): J7#12.2 U3#4.4
Board_12-Net-(J7-Pad3): J7#12.3 U3#4.5
Board_12-Net-(J7-Pad4): J7#12.4 U3#4.7
Board_12-Net-(J8-Pad1): J8#12.1 U2#18.2
Board_12-Net-(J8-Pad2): J8#12.2 U2#18.4
Board_12-Net-(J8-Pad3): J8#12.3 U2#18.5
Board_12-Net-(J8-Pad4): J8#12.4 U2#18.7
Board_12-Net-(J9-Pad1): J9#2.1 U8#9.3
Board_12-Net-(Q1-Pad3): Q1#16.3 U8#9.2
Board_12-Net-(R6-Pad2): R6#13.2 U1#9.3 U1#9.6
Board_12-Net-(R7-Pad2): R7#3.2 U3#4.3 U3#4.6
Board_12-Net-(R8-Pad2): R8#11.2 U2#18.3 U2#18.6
Board_12-Net-(R9-Pad1): R9#7.1 U2#18.1
Board_12-Net-(R10-Pad1): R10#12.1 U3#4.1
Board_12-Net-(R11-Pad1): R11#19.1 U1#9.1
Board_12-RX0: J1#12.4 J11#8.4
Board_12-TX0: J1#12.3 J11#8.3
Board_12-unconnected-(U1-Pad8): U1#9.8